# Altium PCB PCB1.PcbDoc (part 1 of 2)
Units mil, origin at the board's own origin, x right, y up, seen from the top; angles counter-clockwise.
Board outline 1775.91 x 3937.01 mil, 4 copper layers (Top Layer, GND, VCC, Bottom Layer), stack 61.811 mil thick; 79 components, 57 nets, 427 pads, 509 vias.
Unrouted connection lines stored in the file: 129.
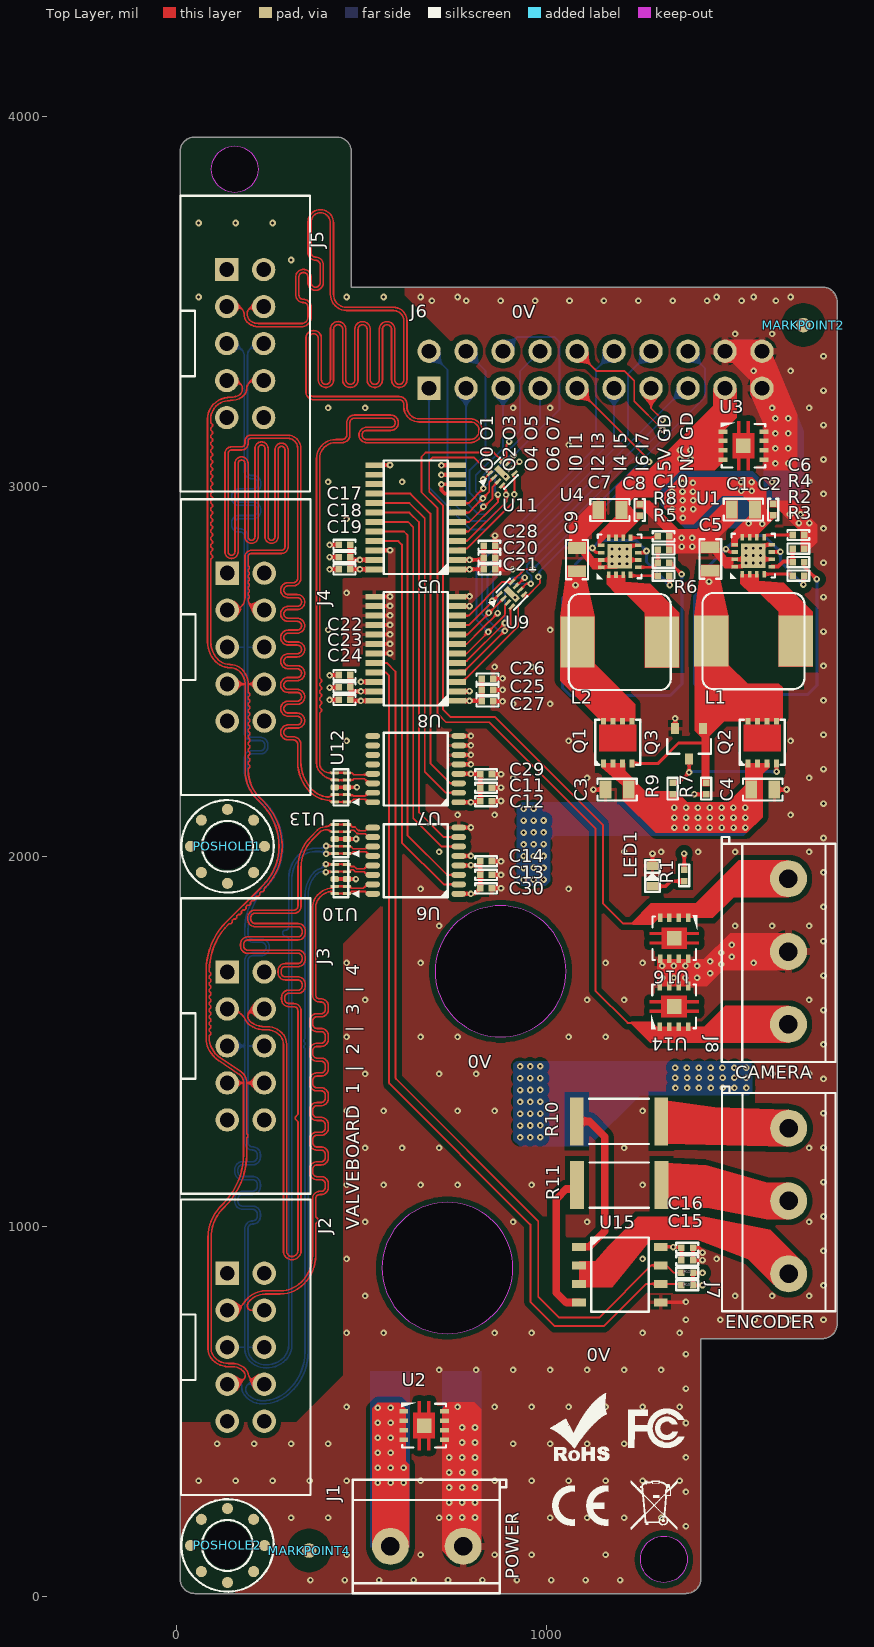
[diagram p0: Top Layer view]
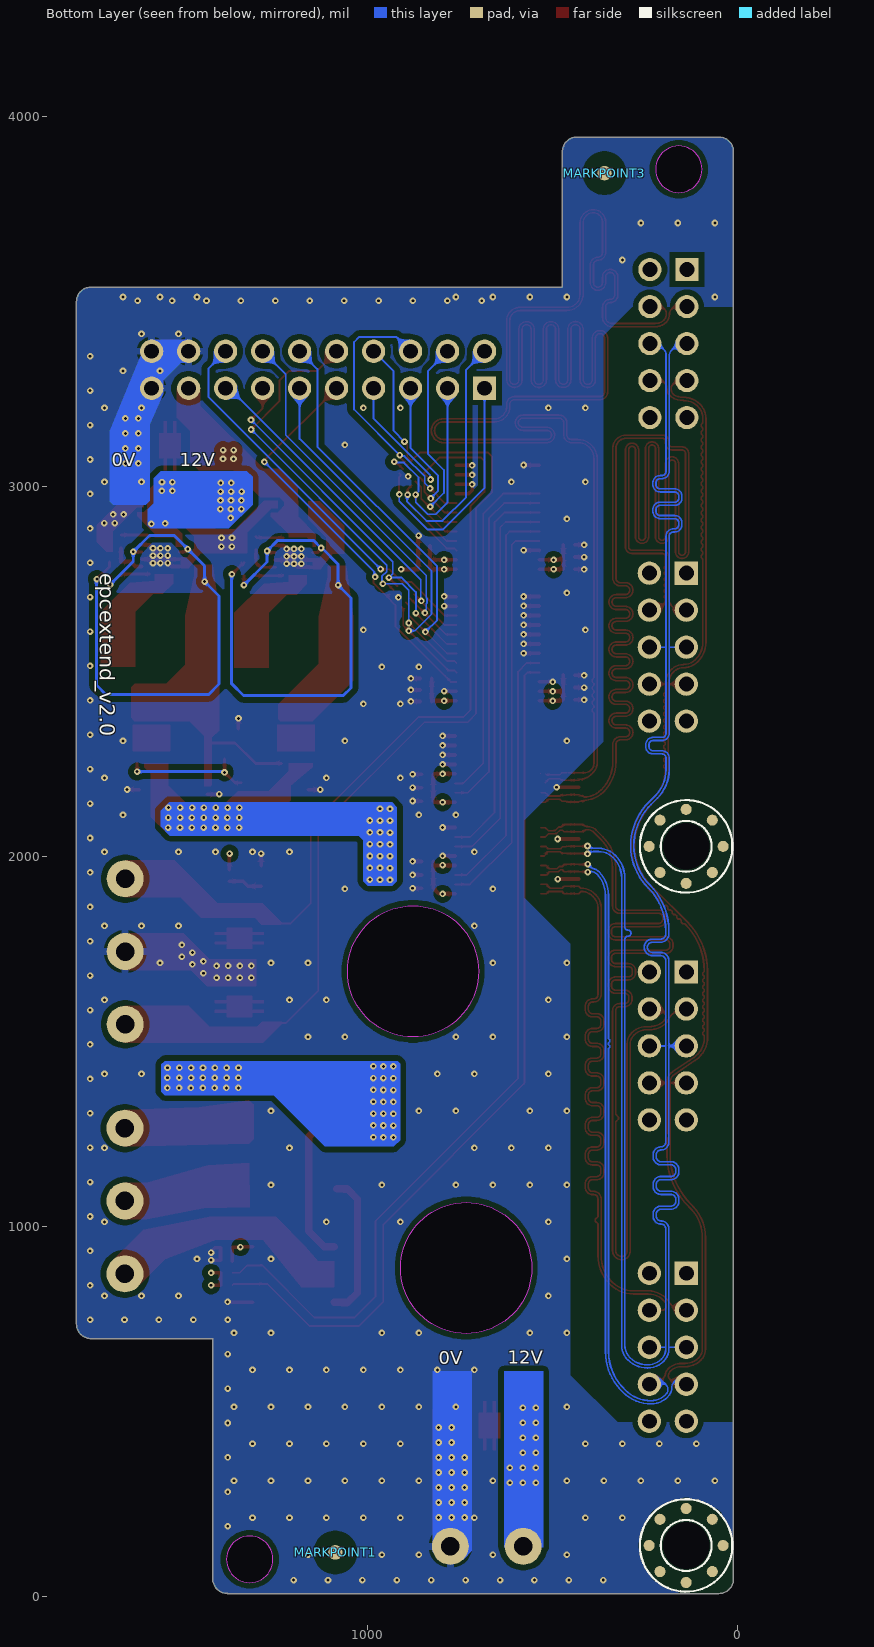
[diagram p1: Bottom Layer view, seen from below]
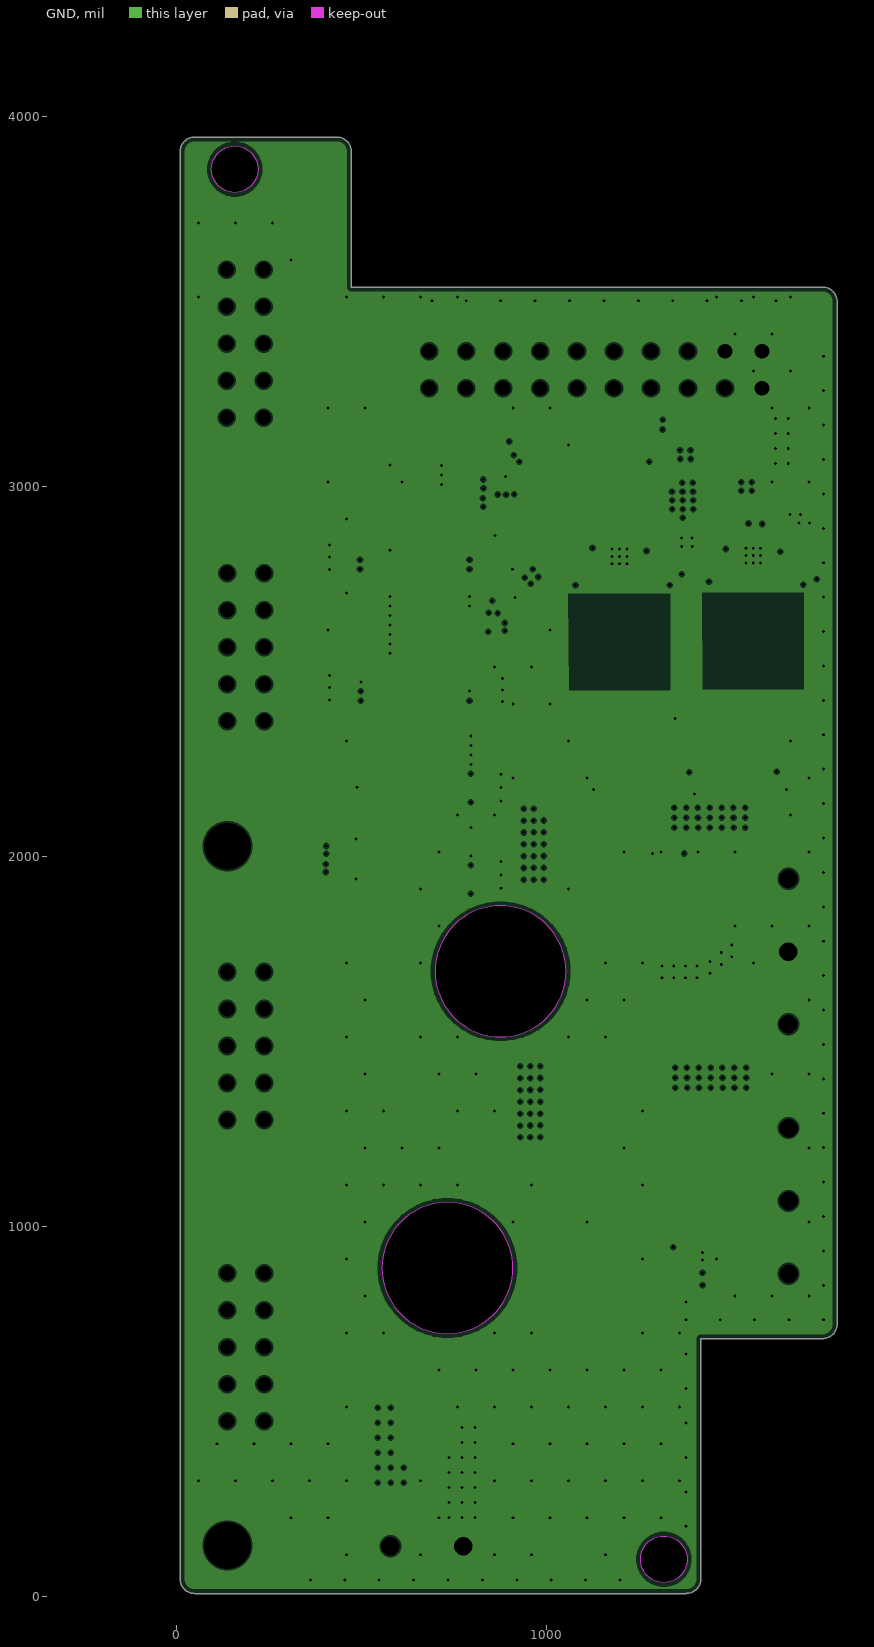
[diagram p2: GND, clearances drawn from the general rule]
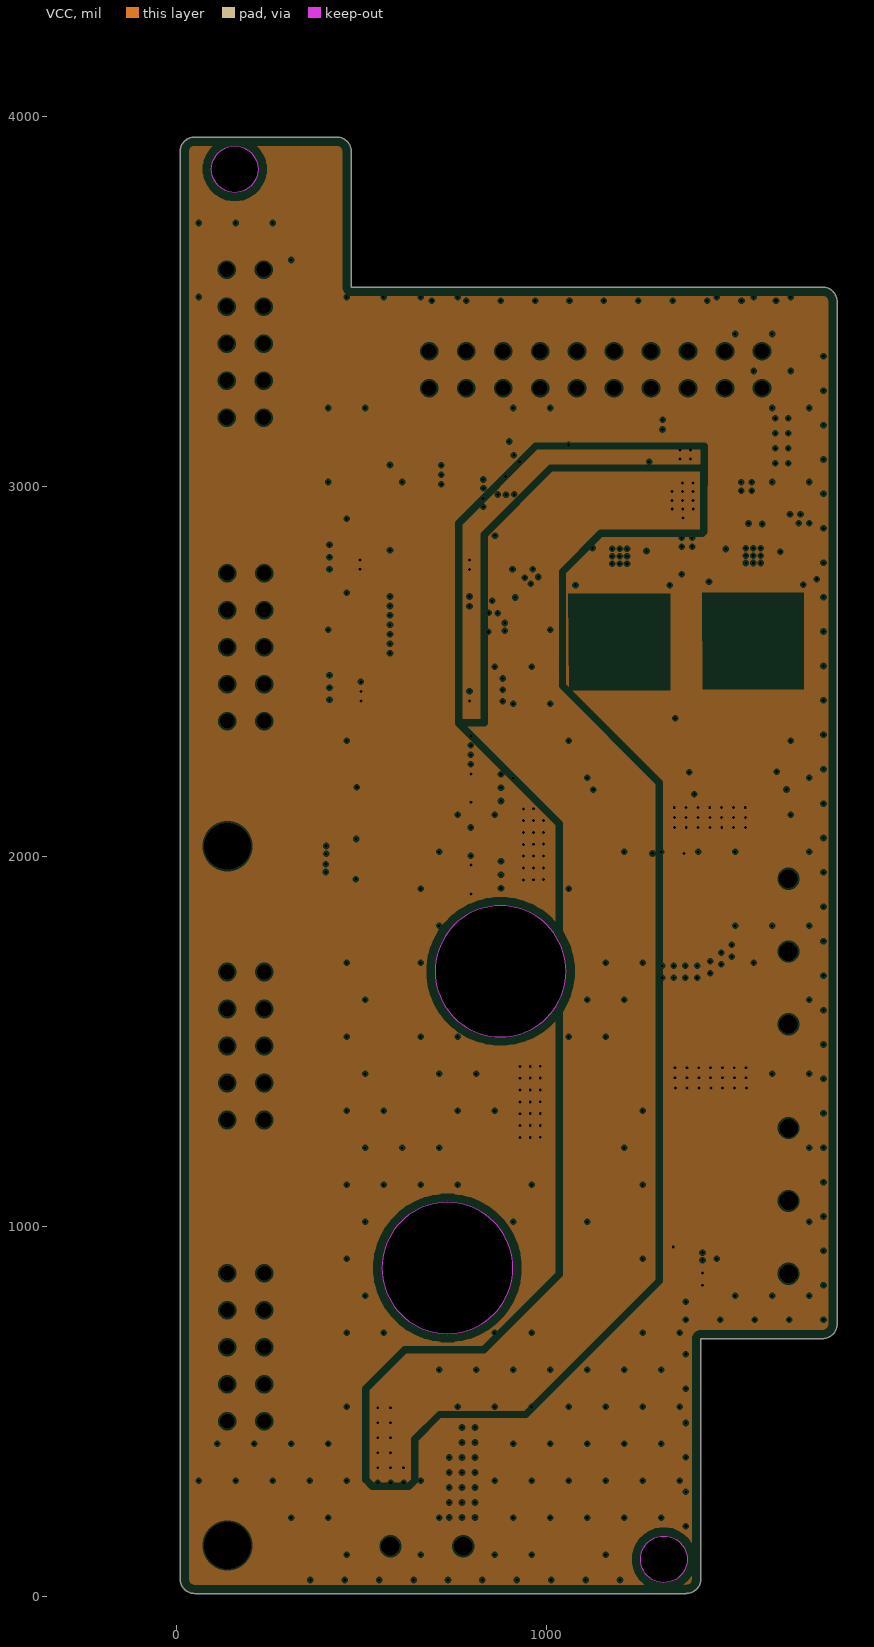
[diagram p3: VCC, clearances drawn from the general rule]
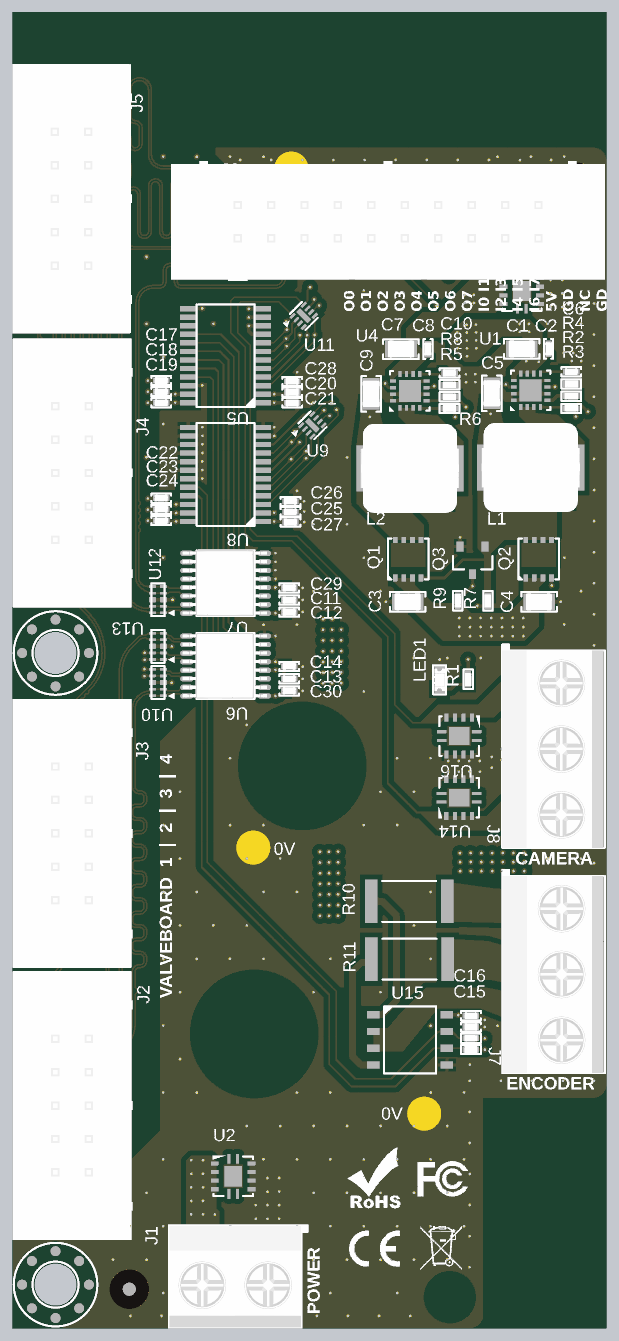
[diagram p5: 3D render of the assembled board from above, using the file's embedded part models]

## Layer stack, top to bottom
Top Solder: solder mask 0.8, Solder Resist, Dk 3.8
Top Layer: signal copper 1.378
Dielectric 2: prepreg 7.874, PP-006, Dk 4.6
GND: plane copper 0.689, net DGND
Core: core 41.929, Core-025, Dk 4.6
VCC: plane copper 0.689, net (Multiple Nets)
Dielectric 3: prepreg 7.874, PP-006, Dk 4.6
Bottom Layer: signal copper 1.378
Bottom Solder: solder mask 0.8, Solder Resist, Dk 3.8

## Board outline
9.84,47.24 9.84,3905.51 cw(c49.21,3905.51) 49.21,3944.88 433.07,3944.88 cw(c433.07,3905.51) 472.44,3905.51 472.44,3539.38 1746.38,3539.38 cw(c1746.38,3500.01) 1785.75,3500.01 1785.75,736.22 cw(c1746.38,736.22) 1746.38,696.85 1417.32,696.85 1417.32,47.45 cw(c1377.95,47.45) 1377.95,8.08 1377.95,7.87 49.21,7.87 cw(c49.21,47.24)
cut-out: 1317.54,37.26 cw(c1317.54,100.25) 1254.55,100.25 cw(c1317.54,100.25) 1317.54,163.25 cw(c1317.54,100.25) 1380.53,100.25 cw(c1317.54,100.25)
cut-out: 157.48,3794.98 cw(c157.48,3857.98) 94.49,3857.98 cw(c157.48,3857.98) 157.48,3920.97 cw(c157.48,3857.98) 220.47,3857.98 cw(c157.48,3857.98)
cut-out: 555.12,887.8 ccw(c732.28,887.8) 732.28,710.63 ccw(c732.28,887.8) 909.45,887.8 ccw(c732.28,887.8) 732.28,1064.96 ccw(c732.28,887.8)
cut-out: 698.82,1689.76 ccw(c875.98,1689.76) 875.98,1512.6 ccw(c875.98,1689.76) 1053.15,1689.76 ccw(c875.98,1689.76) 875.98,1866.93 ccw(c875.98,1689.76)

## Design rules (kind name [scope] priority, off if disabled: settings)
BoardOutlineClearance [OnLayer('Top Layer') and OnLayer('Bottom Layer')] p1: gap=11.81 ignorepadtopadclearanceinfootprint=FALSE
Clearance [All] p1: gap=3.5 ignorepadtopadclearanceinfootprint=TRUE except(0: Arc-Text Track-Text SMDPad-Text THPad-Text Via-Text Fill-Text Poly-Text Region-Text Text-Text Text-Hole; 15: Arc-Poly Track-Poly SMDPad-Poly THPad-Poly Via-Poly Fill-Poly Poly-Poly Poly-Region Poly-Hole)
ComponentClearance [All] p1 off: gap=10 collisioncheckmode=3 verticalgap=10 showdistances=FALSE
DiffPairsRouting [InDifferentialPairClass('LVDS_DiffClass')] p1: maxlimit=4 minlimit=4 mostfreqgap=4 toplayer_minwidth=4.52 toplayer_maxwidth=4.52 toplayer_prefwidth=4.52 bottomlayer_minwidth=4.52 bottomlayer_maxwidth=4.52 bottomlayer_prefwidth=4.52 impedanceprofiledriven=TRUE impedanceprofileid={38474C88-6C03-46F3-907B-9E8D94E07482} impedanceprofilevalue=100.000000 maxuncoupledlength=500
HoleSize [All] p1: absolutevalues=TRUE maxlimit=248.03 minlimit=7.87 maxpercent=80.000 minpercent=20.000
HoleToHoleClearance [All] p1 off: gap=0 allowstackedmicrovias=TRUE
MatchedLengths MatchedLengths_4_within [InxSignalClass('valve_xsignals_4')] p1: tolerance=5 checknetsindiffpair=TRUE checkdiffpairvsdiffpair=FALSE checkxsignals=FALSE checkothers=FALSE
MatchedLengths MatchedLengths_4_group [InxSignalClass('valve_xsignals_4')] p2: tolerance=50 checknetsindiffpair=FALSE checkdiffpairvsdiffpair=TRUE checkxsignals=TRUE checkothers=TRUE
MatchedLengths MatchedLengths_3_within [InxSignalClass('valve_xsignals_3')] p3: tolerance=5 checknetsindiffpair=TRUE checkdiffpairvsdiffpair=FALSE checkxsignals=FALSE checkothers=FALSE
MatchedLengths MatchedLengths_3_group [InxSignalClass('valve_xsignals_3')] p4: tolerance=50 checknetsindiffpair=FALSE checkdiffpairvsdiffpair=TRUE checkxsignals=TRUE checkothers=TRUE
MatchedLengths MatchedLengths_2_within [InxSignalClass('valve_xsignals_2')] p5: tolerance=5 checknetsindiffpair=TRUE checkdiffpairvsdiffpair=FALSE checkxsignals=FALSE checkothers=FALSE
MatchedLengths MatchedLengths_2_group [InxSignalClass('valve_xsignals_2')] p6: tolerance=50 checknetsindiffpair=FALSE checkdiffpairvsdiffpair=TRUE checkxsignals=TRUE checkothers=TRUE
MatchedLengths MatchedLengths_1_within [InxSignalClass('valve_xsignals_1')] p7: tolerance=5 checknetsindiffpair=TRUE checkdiffpairvsdiffpair=FALSE checkxsignals=FALSE checkothers=FALSE
MatchedLengths MatchedLengths_1_group [InxSignalClass('valve_xsignals_1')] p8: tolerance=50 checknetsindiffpair=FALSE checkdiffpairvsdiffpair=TRUE checkxsignals=TRUE checkothers=TRUE
MinimumSolderMaskSliver [All] p1 off: minsoldermaskwidth=10
PlaneClearance [All] p1: clearance=5
PlaneConnect [All] p1: planeconnectstyle=Direct reliefexpansion=20 reliefentries=4 reliefconductorwidth=10 reliefairgap=10
PolygonConnect [All] p1: thpad.connectstyle=Relief thpad.reliefconductorwidth=20 thpad.reliefentries=4 thpad.polygonreliefangle="90 Angle" thpad.airgapwidth=8 smdpad.connectstyle=Relief smdpad.reliefconductorwidth=10 smdpad.reliefentries=4 smdpad.polygonreliefangle="90 Angle" smdpad.airgapwidth=8 via.connectstyle=Direct via.reliefconductorwidth=10 via.reliefentries=4 via.polygonreliefangle="90 Angle" via.airgapwidth=10
RoutingVias [All] p1: holewidth=7.87 width=17.72 viastyle="Through Hole" minholewidth=7.87 minwidth=17.72 maxholewidth=7.87 maxwidth=17.72
SilkToSilkClearance [All] p1 off: silktosilkclearance=10
SilkToSolderMaskClearance [IsPad] p1 off: minsilkscreentomaskgap=10 clearancetoexposedcopper=TRUE
SolderMaskExpansion SolderMaskExpansion_Via [IsVia] p1: expansion=4 istentingtop=TRUE
SolderMaskExpansion [All] p2: expansion=0 istentingtop=FALSE
Width Width_1 [InNetClass('Power_NetClass')] p1: maxlimit=500 minlimit=5 preferedwidth=10
Width [All] p2: maxlimit=500 minlimit=3.5 preferedwidth=5
21 further rules are at their usual default settings.

## Classes and differential pairs
differential pair class LVDS_DiffClass: SCLK SDATA1 SDATA2 SDATA3 SDATA4 SEN
net class Valve_NetClass: SCLK SDATA1 SDATA2 SDATA3 SDATA4 SEN
net class Power_NetClass: +3.3V +3.3V_FROM_+5V +3.3V_FROM_+12V +5V +12V
net class Encoder_NetClass: ENCODE1 ENCODE2
differential pair SEN: +SEN_P -SEN_N
differential pair SDATA4: +SDATA4_P -SDATA4_N
differential pair SDATA3: +SDATA3_P -SDATA3_N
differential pair SDATA2: +SDATA2_P -SDATA2_N
differential pair SDATA1: +SDATA1_P -SDATA1_N
differential pair SCLK: +SCLK_P -SCLK_N

## Components (designator, comment, footprint, x,y, rotation, side; value= is the part's Value field where it differs from the comment)
C1 "C-NOMO" C0805 1532.47,2937.72 r0 top value=10uF
C2 "C-NOMO" C0402 1612.96,2937.72 r270 top value=100nF
C3 "C-NOMO" C0805 1190.99,2180.95 r0 top value=20uF
C4 "C-NOMO" C0805 1584.73,2180.95 r180 top value=20uF
C5 "C-NOMO" C0805 1442.96,2804.32 r90 top value=22uF
C6 "C-NOMO" C0402 1681.03,2869.21 r0 top value=8.2nF
C7 "C-NOMO" C0805 1171.31,2936.62 r0 top value=10uF
C8 "C-NOMO" C0402 1251.86,2936.89 r270 top value=100nF
C9 "C-NOMO" C0805 1082.55,2802.59 r90 top value=22uF
C10 "C-NOMO" C0402 1316.78,2865.32 r0 top value=8.2nF
C11 "C-NOMO" C0402 837.04,2185.99 r180 top value=100nF
C12 "C-NOMO" C0402 837.04,2149.8 r180 top value=1nF
C13 "C-NOMO" C0402 837.04,1950.72 r180 top value=100nF
C14 "C-NOMO" C0402 837.04,1987.3 r180 top value=1nF
C15 "C-NOMO" C0402 1380.63,908.67 r180 top value=100nF
C16 "C-NOMO" C0402 1380.63,942.43 r180 top value=1nF
C17 "C-NOMO" C0402 454.15,2842.75 r0 top value=100nF
C18 "C-NOMO" C0402 454.15,2809.64 r0 top value=1nF
C19 "C-NOMO" C0402 454.15,2776.53 r0 top value=1nF
C20 "C-NOMO" C0402 845.89,2808.07 r180 top value=1nF
C21 "C-NOMO" C0402 845.89,2776.19 r180 top value=1nF
C22 "C-NOMO" C0402 454.15,2490.8 r0 top value=100nF
C23 "C-NOMO" C0402 454.15,2457.24 r0 top value=1nF
C24 "C-NOMO" C0402 454.15,2423.68 r0 top value=1nF
C25 "C-NOMO" C0402 840.83,2450.17 r180 top value=1nF
C26 "C-NOMO" C0402 840.83,2481.08 r180 top value=1nF
C27 "C-NOMO" C0402 840.83,2419.27 r180 top value=100nF
C28 "C-NOMO" C0402 845.89,2839.96 r180 top value=100nF
C29 "C-NOMO" C0402 837.04,2222.18 r180 top value=1nF
C30 "C-NOMO" C0402 837.04,1914.14 r180 top value=1nF
J1 "HDR1X2" KF301-5.0-2P 676.66,135.4 r0 top
J2 "HDR2X5" HDR2X5-NJ 187.25,673.54 r270 top
J3 "HDR2X5" HDR2X5-NJ 187.25,1487.92 r270 top
J4 "HDR2X5" HDR2X5-NJ 187.25,2566.08 r270 top
J5 "HDR2X5" HDR2X5-NJ 185.7,3386.67 r270 top
J6 "HDR2X10" HDR2X10-NJ 1132.68,3315.85 r0 top
J7 "HDR1X3" KF301-5.0-3P 1654.72,1069.01 r90 top
J8 "HDR1X3" KF301-5.0-3P 1654.17,1743.26 r90 top
L1 "L" FXL0624 1559.53,2582.39 r180 top value=2.2uH
L2 "L" FXL0624 1198.19,2579.91 r180 top value=2.2uH
LED1 "LED" LED0603 1286.65,1947.41 r270 top
MARKPOINT1 "MARKPOINT" MARKPOINT-1.0#1 1086.16,118.9 r180 bottom
MARKPOINT2 "MARKPOINT" MARKPOINT-1.0#2 1694.43,3436.65 r0 top
MARKPOINT3 "MARKPOINT" MARKPOINT-1.0#1 358.48,3847.28 r180 bottom
MARKPOINT4 "MARKPOINT" MARKPOINT-1.0#2 358.49,124.12 r0 top
POSHOLE1 "POSHOLE" POSHOLE-3.2 137.8,2027.56 r0 top locked
POSHOLE2 "POSHOLE" POSHOLE-3.2 137.8,137.8 r0 top locked
Q1 "WSD30L40DN" WSD30L40DN 1192.86,2308.95 r0 top
Q2 "WSD30L40DN" WSD30L40DN 1583.37,2308.95 r0 top
Q3 "2N7002" 2N7002 1385.58,2304.61 r270 top
R1 "R" R0402 1372.43,1948.94 r90 top value=1K
R2 "R" R0402 1681.03,2795.85 r0 top value=562K
R3 "R" R0402 1681.03,2759.17 r0 top value=100K
R4 "R" R0402 1681.03,2832.53 r180 top value=180K
R5 "R" R0402 1316.78,2794.47 r0 top value=562K
R6 "R" R0402 1316.78,2759.04 r0 top value=100K
R7 "R" R0402 1431.46,2183.76 r90 top value=330K
R8 "R" R0402 1316.78,2829.89 r180 top value=180K
R9 "R" R0402 1341.17,2183.76 r270 top value=330K
R10 "R" R2512 1195.97,1284.33 r180 top value=2.4K
R11 "R" R2512 1196.87,1111.67 r180 top value=2.4K
R12 "R" R0402 1380.63,874.91 r0 top value=1K
R13 "R" R0402 1380.63,841.15 r0 top value=1K
U1 "TLV62130" TLV62130 1558.97,2813.36 r90 top
U2 "TVS1401" TVS1401 669.41,461.57 r0 top
U3 "TVS0701" TVS0701 1532.71,3110.54 r0 top
U4 "TLV62130" TLV62130 1197.77,2811.57 r90 top
U5 "SN74LVC4245A" SN74LVC4245A 646.65,2917.08 r180 top
U6 "DS90LV047A" DS90LV047 646.65,1988.68 r180 top
U7 "DS90LV047A" DS90LV047 646.65,2236.26 r180 top
U8 "SN74LVC4245A" SN74LVC4245A 646.65,2561.7 r180 top
U9 "TPD8E003" TPD8E003 906.46,2708.94 r45 top
U10 "ESD204" ESD204 444.34,1939.21 r180 top
U11 "TPD8E003" TPD8E003 880.41,3036.16 r45 top
U12 "ESD204" ESD204 444.34,2186.97 r180 top
U13 "ESD204" ESD204 444.34,2047.43 r180 top
U14 "TVS1401" TVS1401 1345.17,1594.79 r90 top
U15 "TLP2168" TLP2168 1198.69,869.94 r0 top
U16 "TVS1401" TVS1401 1345.39,1779.12 r270 top

## Footprints (in the part's own frame and the unit in brackets; to place one, negate y for a bottom-side part, rotate by r counter-clockwise, add the part's x,y. Pads: shape width x height; smd on the part's side, far side on the other; paste and mask are expansions set on the pad)
2N7002 [mm] "SOT23, 3-Leads, Body 2.90x2.40mm, Pitch 0.95mm, IPC High Density"
  rect 0.75x0.55 smd: D(1.05,0) G(-1.05,0.95) S(-1.05,-0.95)
  silkscreen extent -0.33,-1.5 0.67,1.5
C0402 [mm] "C0402"
  rect 0.45x0.45 smd: 1(-0.4,0) 2(0.4,0)
  silkscreen extent -0.75,-0.35 0.75,0.35, body extent -0.5,-0.25 0.5,0.25, height 0.52
C0805 [mm] "C0805"
  rect 0.8x1.25 smd: 1(-0.8,0) 2(0.8,0)
  silkscreen extent -1.35,-0.75 1.35,0.75, body extent -0.99,-0.66 1.01,0.67, height 1.19
DS90LV047 [mm]
  oval 1x0.4 smd: 1(-2.95,2.275) 2(-2.95,1.625) 3(-2.95,0.975) 4(-2.95,0.325) 5(-2.95,-0.325) 6(-2.95,-0.975) 7(-2.95,-1.625) 8(-2.95,-2.275) 9(2.95,-2.275) 10(2.95,-1.625) 11(2.95,-0.975) 12(2.95,-0.325) 13(2.95,0.325) 14(2.95,0.975) 15(2.95,1.625) 16(2.95,2.275)
  silkscreen extent -2.2,-2.5 2.2,2.5, body extent -3.16,-2.51 3.26,2.49, height 1.2
ESD204 [mm]
  rrect45% 0.565x0.2 smd: 1(-0.417,1) 2(-0.417,0.5) 4(-0.417,-0.5) 5(-0.417,-1) 6(0.417,-1) 7(0.417,-0.5) 9(0.417,0.5) 10(0.417,1)
  rrect45% 0.565x0.4 smd: 3(-0.417,0) 8(0.417,0)
  silkscreen extent -1.27,-1.25 0.5,1.27
FXL0624 [mm]
  rect 2.35x3.5 smd: 1(-2.9,0) 2(2.9,0)
  silkscreen extent -3.5,-3.3 3.5,3.3, body extent -3.74,-3.3 3.74,3.3, height 2.35
HDR2X5-NJ [mm]
  rect 1.6x1.6 hole 1.02: 1(-5.08,-1.27)
  round 1.6 hole 1.02: 2(-5.08,1.27) 3(-2.54,-1.27) 4(-2.54,1.27) 5(0,-1.27) 6(0,1.27) 7(2.54,-1.27) 8(2.54,1.27) 9(5.08,-1.27) 10(5.08,1.27)
  silkscreen extent -10.15,-4.45 10.15,4.45, body extent -10.15,-4.5 10.15,4.6, height 9
HDR2X10-NJ [mm]
  rect 1.6x1.6 hole 1.02: 1(-11.43,-1.27)
  round 1.6 hole 1.02: 2(-11.43,1.27) 3(-8.89,-1.27) 4(-8.89,1.27) 5(-6.35,-1.27) 6(-6.35,1.27) 7(-3.81,-1.27) 8(-3.81,1.27) 9(-1.27,-1.27) 10(-1.27,1.27) 11(1.27,-1.27) 12(1.27,1.27) 13(3.81,-1.27) 14(3.81,1.27) 15(6.35,-1.27) 16(6.35,1.27) 17(8.89,-1.27) 18(8.89,1.27) 19(11.43,-1.27) 20(11.43,1.27)
  body extent -16.5,-4.45 16.5,4.65, height 9
KF301-5.0-2P [mm] "5.0间距螺钉端子"
  round 2.54 hole 1.27: 1(-2.5,0) 2(2.5,0)
  silkscreen extent -5.08,-3.23 5.46,4.57, body extent -5.03,-3.19 5.47,4.51, height 10.16
KF301-5.0-3P [mm]
  round 2.54 hole 1.27: 1(-5,0) 2(0,0) 3(5,0)
  silkscreen extent -7.58,-3.23 7.87,4.57, body extent -7.58,-3.13 7.92,4.57, height 10
LED0603 [mm] "Chip LED, 2-Leads, Body 1.60x0.80mm, IPC High Density"
  rect 0.6x0.8 smd: 1(-0.7,0) 2(0.7,0)
  silkscreen extent -1.1,-0.56 1.1,0.56, body extent -0.85,-0.39 0.85,0.41, height 0.65
MARKPOINT-1.0#1 [mm]
  round 1 smd: ""(0,0)
  round 3 on Bottom Solder: ""(0,0)
  Top Layer pour cut-out: 0,-1.494 -0.572,-1.38 -1.056,-1.056 -1.38,-0.572 -1.494,0 -1.494,0 -1.38,0.572 -1.056,1.056 -0.572,1.38 0,1.494 0,1.494 0.572,1.38 1.056,1.056 1.38,0.572 1.494,0 1.494,0 1.38,-0.572 1.056,-1.056 0.572,-1.38 0,-1.494
MARKPOINT-1.0#2 [mm]
  round 1 smd: ""(0,0)
  round 3 on Top Solder: ""(0,0)
  Top Layer pour cut-out: 0,-1.494 -0.572,-1.38 -1.056,-1.056 -1.38,-0.572 -1.494,0 -1.494,0 -1.38,0.572 -1.056,1.056 -0.572,1.38 0,1.494 0,1.494 0.572,1.38 1.056,1.056 1.38,0.572 1.494,0 1.494,0 1.38,-0.572 1.056,-1.056 0.572,-1.38 0,-1.494
POSHOLE-3.2 [mil] "3.2mm hole"
  round 30 smd: ""(-100,0) ""(-70.71,-70.71) ""(-70.71,70.71) ""(0,-100) ""(0,100) ""(70.71,-70.71) ""(70.71,70.71) ""(100,0)
  round 30 smd far side: ""(-100,0) ""(-70.71,-70.71) ""(-70.71,70.71) ""(0,-100) ""(0,100) ""(70.71,-70.71) ""(70.71,70.71) ""(100,0)
  round 0 hole 125.98 unplated: ""(0,0)
  Top Layer pour cut-out: 0,-125 -47.84,-115.48 -88.39,-88.39 -115.48,-47.84 -125,0 -125,0 -115.48,47.84 -88.39,88.39 -47.84,115.48 0,125 0,125 47.84,115.48 88.39,88.39 115.48,47.84 125,0 125,0 115.48,-47.84 88.39,-88.39 47.84,-115.48 0,-125
  Bottom Layer pour cut-out: 0,-125 -47.84,-115.48 -88.39,-88.39 -115.48,-47.84 -125,0 -125,0 -115.48,47.84 -88.39,88.39 -47.84,115.48 0,125 0,125 47.84,115.48 88.39,88.39 115.48,47.84 125,0 125,0 115.48,-47.84 88.39,-88.39 47.84,-115.48 0,-125
  silkscreen extent -125,-125 125,125
R0402 [mm] "R0402"
  rect 0.45x0.45 smd: 1(-0.4,0) 2(0.4,0)
  silkscreen extent -0.75,-0.35 0.75,0.35, body extent -0.51,-0.25 0.49,0.25, height 0.3
R2512 [mm] "Chip Resistor, 2-Leads, Body 6.35x3.20mm, IPC High Density"
  rect 0.95x3.3 smd: 1(-2.9,0) 2(2.9,0)
  silkscreen extent -2.05,-1.55 2.05,1.55, body extent -3.22,-1.7 3.22,1.7, height 0.55
SN74LVC4245A [mm] "TSOP, 24-Leads, Body 7.80x4.47mm, Pitch 0.65mm, IPC High Density"
  rect 1.2x0.4 smd: 1(-2.85,3.575) 2(-2.85,2.925) 3(-2.85,2.275) 4(-2.85,1.625) 5(-2.85,0.975) 6(-2.85,0.325) 7(-2.85,-0.325) 8(-2.85,-0.975) 9(-2.85,-1.625) 10(-2.85,-2.275) 11(-2.85,-2.925) 12(-2.85,-3.575) 13(2.85,-3.575) 14(2.85,-2.925) 15(2.85,-2.275) 16(2.85,-1.625) 17(2.85,-0.975) 18(2.85,-0.325) 19(2.85,0.325) 20(2.85,0.975) 21(2.85,1.625) 22(2.85,2.275) 23(2.85,2.925) 24(2.85,3.575)
  silkscreen extent -2.2,-3.9 2.2,3.9
TLP2168 [mm]
  rect 0.95x0.55 smd: 1(-2.8,1.905) 2(-2.8,0.635) 3(-2.8,-0.635) 4(-2.8,-1.905) 5(2.8,-1.905) 6(2.8,-0.635) 7(2.8,0.635) 8(2.8,1.905)
  silkscreen extent -1.97,-2.55 1.97,2.55
TLV62130 [mm] "PQFN, 16-Leads, Body 3.00x3.00mm, Pitch 0.50mm, Thermal Pad 1.68x1.68mm, IPC High Density"
  rect 0.45x0.25 smd: 1(-1.275,0.75) 2(-1.275,0.25) 3(-1.275,-0.25) 4(-1.275,-0.75) 9(1.275,-0.75) 10(1.275,-0.25) 11(1.275,0.25) 12(1.275,0.75)
  rect 0.25x0.45 smd: 5(-0.75,-1.275) 6(-0.25,-1.275) 7(0.25,-1.275) 8(0.75,-1.275) 13(0.75,1.275) 14(0.25,1.275) 15(-0.25,1.275) 16(-0.75,1.275)
  rect 1.68x1.68 smd: 17(0,0)
  silkscreen extent -1.58,-1.5 1.5,1.58
TPD8E003 [mm] "SON, 8-Leads, Body 1.70x1.35mm, Pitch 0.40mm, Thermal Pad 1.20x0.40mm, IPC High Density"